# KiCad board Tiboard.kicad_pcb (continued)
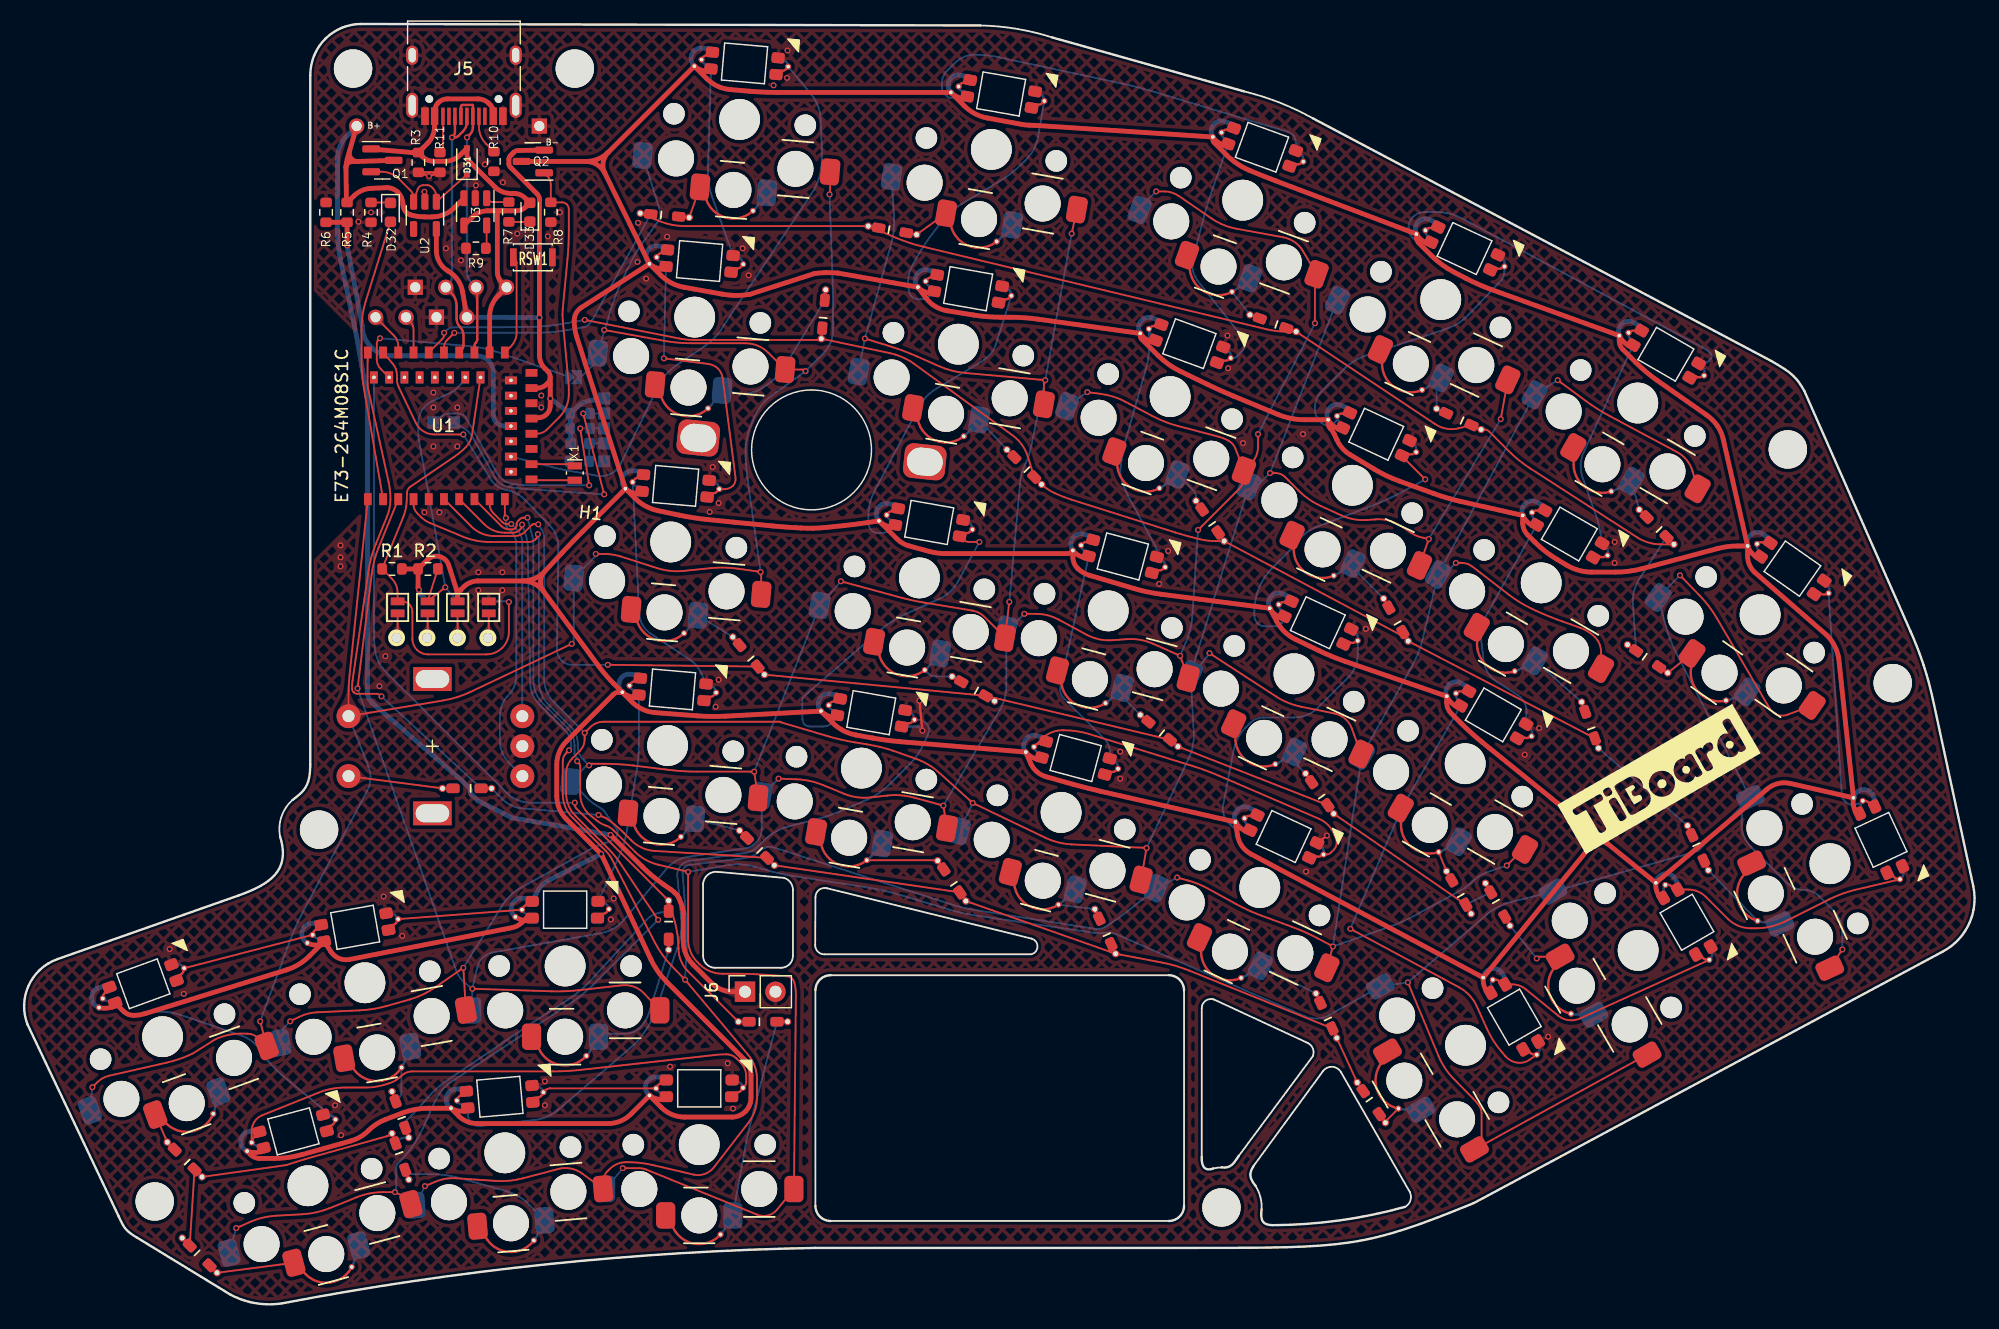
[diagram p0: board, top side]
## Routing (per net, layer and track width the routed paths; a pad name or vN(x,y) marks a point on that pad's centre or on a via; arc(x,y) is an arc through that point)
GND: length 9.1
  Top w0.2: v1(74.7,50.42) v1(74.95,47.92) ; v1(108.7,39.17) SW22.3 ; R3.2 R11.2 v1(33.79,94.2) R3.2
  Bottom w0.2: 73.22,48.27 74.61,48.27 v1(74.95,47.92)
  vias: v1(12.15,29.7) v1(13.33,25.96) v1(25.95,16.67) v1(26.4,63.39) v1(26.4,62.39) v1(26.4,61.64) v1(26.45,14.17) v1(27.9,90.39) v1(28.95,91.17) v1(29.65,51.64) v1(30,34.09) v1(30.15,54.14) v1(31.55,30.8) v1(32.9,63.39) v1(33.4,92.89) v1(33.4,66.14) v1(34.15,76.14) v1(34.15,74.89) v1(34.15,71.64) v1(34.65,66.14) v1(35.2,88.17) v1(36.15,74.89) v1(36.15,71.64) v1(36.45,87.17) v1(37.7,93.42) v1(37.9,61.14) v1(37.9,59.64) v1(38.45,95.17) v1(39.9,61.14) v1(39.9,59.64) v1(39.95,93.67) v1(41.15,89.39) v1(43.15,75.89) v1(43.15,74.89) v1(43.45,18.67) v1(43.45,16.67) v1(43.7,89.17) v1(44.7,91.17) v1(48.95,32.17) v1(49.2,33.92) v1(51.23,90.3) v1(51.19,87.04) v1(51.9,85.64) v1(53.65,89.14) v1(53.9,19.89) v1(57.2,66.17) v1(57.45,69.92) v1(57.7,49.92) v1(57.95,66.92) v1(57.95,52.17) v1(58.7,20.17) v1(58.76,69.72) v1(59.15,16.39) v1(59.95,88.17) v1(60.45,85.92) v1(62.54,101.77) v1(63.7,104.67) v1(63.65,102.39) v1(91.45,46.17) v1(91.45,43.92) v1(94.7,60.17) v1(95.45,62.92) v1(100.4,80.89) v1(100.45,78.17) v1(101.7,71.92) v1(106.7,72.67) v1(106.95,36.17) v1(111.95,56.42) v1(125.2,45.92) v1(126.4,48.14) v1(127.15,22.39) v1(132.7,63.67) v1(132.7,61.92)
VBAT: length 115.4
  Top w0.4: J6.1 59.12,26.14 arc(58.17,26.33) 57.36,26.87 55.8,28.43 arc(55.21,29.31) 55,30.35 55,32.63 arc(55,32.74) 54.99,32.85 arc(54.97,32.96) 54.95,33.07 54.92,33.17 arc(54.86,33.38) 54.79,33.58 54.65,33.93 arc(54.58,34.07) 54.49,34.2 arc(54.37,34.32) 54.26,34.44 54.24,34.45 arc(54.09,34.58) 53.94,34.69 53.38,35.07 arc(52.45,35.78) 51.59,36.57 v1(48.93,39.23) ; 27.16,96.29 26.97,95.63 arc(26.92,95.39) 26.88,95.14 26.86,94.89 ; 27.16,96.29 J2.1 ; 27.16,96.29 arc(27.28,95.68) 27.84,95.42 Q1.3 ; R5.1 27.55,92.57 arc(28.21,93) 28.98,93.18 30.23,93.23 arc(30.75,93.14) 31.19,92.85 arc(31.49,92.41) 31.62,91.89 31.62,91.75 arc(31.81,91.26) 32.24,90.97 32.24,90.96 arc(32.83,90.84) 33.43,90.79 34.04,90.79 arc(35.06,90.99) 35.92,91.57 U3.3 ; 27.79,95.42 27.34,95.4 arc(27,95.25) 26.86,94.89 ; 26.86,94.89 26.9,91.99
  Bottom w0.4: J2.1 26.95,97.57 arc(26.36,96.68) 26.15,95.64 26.15,89.56 arc(26.22,88.4) 26.4,87.25 27.53,81.91 arc(27.76,80.76) 27.97,79.61 28.58,76.03 arc(28.64,75.61) 28.65,75.18 28.65,51.17 arc(28.75,50.68) 29.03,50.26 29.04,50.25 arc(29.05,50.24) 29.06,50.23 36.21,44.05 arc(36.52,43.76) 36.83,43.46 37.14,43.16 arc(37.23,43.02) 37.26,42.86 arc(37.29,42.7) 37.38,42.57 37.86,42.09 40.68,40.66 v1(48.93,39.23)
VBUS: length 46.4
  Top w0.4: J5.A4 39.15,99.54 arc(39.09,99.86) 38.91,100.14 38.78,100.26 arc(38.36,100.54) 37.87,100.64 35.32,100.64 arc(34.92,100.56) 34.57,100.33 34.55,100.31 arc(34.33,99.98) 34.25,99.6 J5.A9 34.25,98.35 arc(34.1,97.58) 33.66,96.92 33.27,96.53 ; 39.65,91.3 41.06,91.3 arc(41.5,91.39) 41.87,91.63 42.04,91.8 arc(42.11,91.97) 42.04,92.14 41.81,92.36 arc(41.38,92.65) 40.87,92.75 40.62,92.75 arc(39.88,92.9) 39.26,93.32 37.27,95.31 arc(37.04,95.66) 36.95,96.07 D31.2 36.41,95.98 arc(35.81,95.58) 35.1,95.44 34.14,95.44 arc(33.67,95.53) 33.27,95.8 ; 39.65,91.3 39.33,91.3 ; 39.65,91.3 arc(39.54,91.25) 39.49,91.14 ; 39.33,91.3 38.71,91.3 arc(37.99,91.16) 37.37,90.75 U3.4 ; 39.33,91.3 arc(39.45,91.25) 39.49,91.14 ; 39.49,91.14 39.49,86.23 arc(39.59,85.73) 39.88,85.31 arc(40.04,84.92) 39.88,84.53 39.56,84.21 arc(39.03,83.43) 38.85,82.5 U1.27 ; 33.27,96.53 arc(33.12,96.16) 33.27,95.8 ; 33.27,96.53 arc(32.87,96.26) 32.39,96.16 ; 32.39,96.16 Q1.1 ; 32.39,96.16 arc(32.87,96.07) 33.27,95.8
/P0.00: length 3.6
  Top w0.15: X1.2 42.46,68.82 arc(42.41,68.83) 42.37,68.85 U1.11
/P0.01: length 3.7
  Top w0.15: U1.13 45.72,70.16 arc(45.81,70.14) 45.88,70.09 X1.1
/P1.04: length 20
  Top w0.15: v1(29.7,80.67) 29.57,80.53 arc(29.47,80.38) 29.43,80.21 29.43,78.91 arc(29.52,78.47) 29.77,78.1 U1.40
  Bottom w0.15: v1(29.7,80.67) 37.24,79.99 arc(38.39,79.82) 39.51,79.51 JP9.1
BATTERY_PIN: length 29.2
  Top w0.4: R6.1 R5.2 v1(26.95,88.42)
  Bottom w0.4: U1.18 40.1,73.34 arc(39.74,73.41) 39.43,73.61 arc(39.23,73.92) 39.15,74.28 39.15,77.82 arc(39.05,78.35) 38.75,78.79 arc(38.3,79.09) 37.77,79.2 30.72,79.2 arc(29.77,79.39) 28.96,79.93 arc(28.41,80.74) 28.22,81.7 v1(26.95,88.42)
BLUE_LED: length 23.6
  Top w0.15: D32.2 28.51,83.74 arc(28.25,82.62) 28.16,81.47 28.16,78.8 arc(28.21,77.64) 28.36,76.48 U1.2
CC1: length 3.4
  Top w0.15: J5.A5 37.95,98.34 arc(38.11,97.56) 38.55,96.89 R10.1
CC2: length 3.1
  Top w0.15: R11.1 34.83,96.29 arc(34.92,96.43) 34.95,96.59 J5.B5
col0: length 280.2
  Top w0.15: SW18.6 121.38,13.18 arc(121.3,13.2) 121.31,13.28 arc(121.53,13.61) 121.6,14 121.6,15.98 arc(121.55,16.32) 121.4,16.63 arc(121.18,16.92) 120.94,17.19 119.28,18.87 arc(118.56,19.76) 118.02,20.77 v1(115.45,26.92) ; U1.8 39.82,65 arc(40.13,64.79) 40.5,64.72 40.74,64.72 arc(40.88,64.75) 41,64.82 arc(41.07,64.94) 41.1,65.07 41.1,65.16 arc(41.12,65.29) 41.2,65.4 41.35,65.55 arc(41.48,65.64) 41.64,65.69 42,65.69 arc(42,65.69) 42,65.7 v1(42.01,65.7) ; v1(49.95,11.42) 51.3,11.42 arc(51.62,11.39) 51.93,11.3 61.17,7.54 arc(62.07,7.48) 62.82,7.96 SW30.6 64.4,25.87 arc(64.37,26.39) 64.28,26.89 arc(64.05,27.26) 63.64,27.43 61.93,27.55 arc(60.76,27.62) 59.59,27.64 58.28,27.64 arc(57.24,27.85) 56.36,28.44 56.2,28.59 arc(55.61,29.48) 55.4,30.52 v1(55.4,36.14) 52.9,36.75 arc(51.86,37.15) 50.97,37.83 49.18,39.61 arc(48.88,39.85) 48.53,40.01 arc(48.17,40.17) 47.84,40.38 47.28,40.83 arc(46.64,41.62) 46.41,42.62 46.41,44.94 arc(46.37,45.11) 46.28,45.25 v1(46.15,45.38) ; v1(138.15,60.89) 139.81,59.19 arc(140.56,58.31) 141.21,57.35 145.63,49.78 arc(146.28,49.25) 147.12,49.25 SW6.6 ; v1(151.7,29.67) SW12.6
  Bottom w0.15: v1(151.7,29.67) 151.7,31.04 arc(151.5,32.08) 150.91,32.97 149.79,34.09 arc(149.17,34.5) 148.45,34.64 arc(147.72,34.79) 147.11,35.2 144.1,38.21 arc(143.51,39.09) 143.3,40.13 143.3,41.11 arc(143.39,41.58) 143.66,41.97 ; v1(46.15,45.38) 46.16,45.39 arc(46.17,45.41) 46.18,45.42 46.18,45.5 arc(46.16,45.59) 46.11,45.67 46.05,45.72 arc(45.96,45.86) 45.93,46.03 45.93,46.7 arc(45.77,47.49) 45.32,48.16 43.3,50.18 arc(42.71,51.07) 42.5,52.11 42.5,63.35 arc(42.47,63.82) 42.38,64.28 arc(42.25,64.74) 42.13,65.2 v1(42.01,65.7) ; SW12.6 139.65,37.89 SW18.6 124.06,33.63 arc(123,33.24) 122.06,32.6 v1(115.45,26.92) SW24.6 108.87,24.18 arc(107.89,23.9) 106.89,24.08 91.08,30.96 arc(90.65,31.07) 90.2,31.06 arc(89.75,31.02) 89.3,31.05 79.56,32.47 arc(78.41,32.68) 77.28,32.97 72.78,34.31 arc(71.65,34.6) 70.5,34.82 64.24,35.78 arc(63.09,36) 61.96,36.29 61.01,36.56 arc(59.9,36.76) 58.76,36.7 v1(55.4,36.14) ; v1(138.15,60.89) SW6.6 136.98,56.65 arc(137.34,55.54) 137.81,54.48 143.79,42.78 ; v1(49.95,11.42) SW30.6 ; 143.79,42.78 arc(143.8,42.42) 143.53,42.18 arc(143.68,42.12) 143.66,41.97 ; 143.79,42.78 arc(143.85,42.36) 143.66,41.97
col1: length 269.2
  Top w0.15: v1(41.55,65.11) 41.55,64.99 arc(41.53,64.88) 41.47,64.79 41.33,64.66 arc(41.09,64.5) 40.81,64.44 40.11,64.44 arc(39.18,64.63) 38.4,65.15 U1.7 ; SW5.6 139.21,69.56 arc(138.73,70.5) 137.91,71.17 132.28,74.18 arc(131.27,74.77) 130.31,75.43 v1(127.95,77.17) ; SW11.6 131.57,54.49 arc(131.44,55.17) 131.05,55.74 arc(130.5,56.19) 129.85,56.5 128.31,57.05 arc(127.22,57.47) 126.14,57.93 125.87,58.06 arc(124.85,58.6) 123.89,59.26 120.83,61.62 arc(120.41,61.84) 119.95,61.92 v1(119.45,61.92) ; v1(96.2,35.67) 97.08,35.43 arc(97.94,35.14) 98.75,34.76 101.13,33.45 arc(102.17,32.93) 103.25,32.49 105.81,31.54 arc(106.89,31.1) 107.94,30.59 v1(109.2,29.92) SW22.6 ; v1(123.7,36.67) 124.99,37.95 arc(125.06,38) 125.14,38.02 SW17.6 ; v1(33.45,9.92) 34.3,10.28 arc(35.17,10.53) 36.08,10.58 39.36,10.36 arc(40.51,10.37) 41.64,10.58 44.58,11.35 arc(45.61,11.39) 46.55,10.98 47.87,10.02 arc(48.15,10) 48.31,10.25 arc(48.41,10.75) 48.69,11.18 48.87,11.35 arc(49.49,11.77) 50.23,11.92 50.43,11.92 arc(51.42,11.86) 52.4,11.69 55.85,10.88 arc(56.8,10.94) 57.56,11.49 60.46,15.24 arc(60.98,16.2) 61.15,17.28 61.15,18.86 arc(60.97,19.93) 60.42,20.87 v1(55.15,27.14) 54,28.34 arc(53.26,29.22) 52.66,30.21 49.06,37.18 arc(48.82,37.56) 48.53,37.9 45.75,40.69 arc(45.16,41.57) 44.95,42.61 44.95,45.39 arc(45.02,45.73) 45.21,46.02 v1(45.48,46.29)
  Bottom w0.15: 117.92,60.75 116.68,55.52 arc(116.33,54.42) 115.83,53.37 SW17.6 v1(109.2,29.92) 113.8,31.51 arc(114.88,31.93) 115.93,32.45 119.78,34.55 arc(120.37,34.93) 120.9,35.39 arc(121.45,35.82) 122.07,36.12 v1(123.7,36.67) ; 117.92,60.75 arc(118,60.94) 118.12,61.1 ; 117.92,60.75 arc(117.99,60.95) 118.07,61.14 ; v1(96.2,35.67) SW22.6 91.98,32.79 arc(91.29,32.26) 90.56,31.78 90.22,31.56 arc(89.81,31.39) 89.36,31.38 79.53,32.92 arc(78.38,33.15) 77.26,33.46 62.58,38.17 arc(61.95,38.2) 61.4,37.89 arc(60.85,37.5) 60.2,37.3 55.48,36.71 arc(55.08,36.49) 54.95,36.06 55.26,31.86 arc(55.31,30.7) 55.28,29.53 v1(55.15,27.14) ; v1(41.55,65.11) 41.78,64.5 arc(41.96,63.87) 42.03,63.22 42.23,51.99 arc(42.43,50.95) 43.02,50.07 45.11,47.98 arc(45.51,47.38) 45.65,46.68 45.65,46.59 arc(45.63,46.47) 45.56,46.37 v1(45.48,46.29) ; 118.07,61.14 SW5.6 v1(127.95,77.17) ; 118.07,61.14 arc(118.08,61.1) 118.12,61.1 ; v1(33.45,9.92) SW23.6 ; v1(119.45,61.92) 118.97,61.44 arc(118.77,61.3) 118.53,61.26 118.49,61.26 arc(118.29,61.22) 118.12,61.1
col2: length 253.2
  Top w0.15: v1(42.9,65.14) 42.89,65.15 arc(42.87,65.16) 42.86,65.17 42.5,65.17 arc(42.44,65.14) 42.38,65.1 41.72,64.44 arc(41.36,64.24) 40.94,64.17 39.24,64.17 arc(38.2,64.37) 37.32,64.96 U1.6 ; v1(52.9,32.14) 49.7,36.92 arc(49.27,37.51) 48.78,38.05 46.02,40.8 arc(45.43,41.68) 45.23,42.72 45.23,44.36 arc(45.36,45.04) 45.74,45.61 46.38,46.25 arc(46.67,46.68) 46.77,47.19 v1(46.77,47.74) 47.24,48.2 arc(47.75,48.55) 48.36,48.67 63.06,48.67 arc(63.09,48.66) 63.11,48.65 arc(63.14,48.63) 63.17,48.61 67.03,47.47 arc(68.16,47.18) 69.31,46.95 70.28,46.79 arc(70.84,46.69) 71.4,46.57 arc(71.95,46.43) 72.49,46.25 74.38,45.59 arc(75.41,45.11) 76.34,44.43 v1(79.15,41.89) 85.21,38.99 arc(86.28,38.6) 87.41,38.43 v1(93.65,38.14) SW21.6 ; v1(17.7,6.42) 18.84,6.92 arc(19.93,7.29) 21.06,7.45 23.24,7.58 arc(24.38,7.73) 25.48,8.07 27.75,8.99 arc(28.84,9.31) 29.98,9.42 30.58,9.42 arc(31.23,9.29) 31.78,8.92 SW29.6 ; v1(98.9,54.39) 104.44,50.79 arc(105.46,50.25) 106.56,49.92 109.33,49.36 arc(110.22,48.92) 110.78,48.11 SW16.6 ; v1(103.95,69.42) 104.42,69.42 arc(104.84,69.33) 105.2,69.09 106.33,67.96 arc(107.22,67.23) 108.21,66.66 109.88,65.9 arc(110.96,65.56) 112.08,65.5 112.77,65.55 arc(113.86,65.46) 114.85,65.01 115.71,64.44 arc(116.17,64.19) 116.68,64.03 v1(117.2,63.92) SW10.6 ; v1(123.2,73.92) SW4.6
  Bottom w0.15: v1(93.65,38.14) 97.16,45.6 arc(97.51,46.67) 97.59,47.79 97.36,51.87 ; SW4.6 v1(103.95,69.42) 103.12,68.58 arc(102.85,68.4) 102.54,68.34 arc(102.26,68.25) 102.1,68.02 97.54,53.31 ; v1(17.7,6.42) SW29.6 ; 97.36,51.87 arc(97.47,52.56) 97.85,53.14 ; 97.36,51.87 arc(97.39,52.6) 97.54,53.31 ; 97.54,53.31 arc(97.62,53.11) 97.85,53.14 ; v1(30.95,9.42) 31.01,9.47 arc(31.05,9.53) 31.06,9.6 31.06,11.48 arc(31.1,11.67) 31.21,11.84 31.45,12.07 arc(31.82,12.47) 32.16,12.9 32.36,13.18 arc(32.85,13.92) 33.26,14.72 34.29,16.99 arc(34.88,17.93) 35.72,18.67 45.68,25.25 arc(46.62,25.94) 47.48,26.72 v1(52.9,32.14) ; 97.85,53.14 98.06,53.35 arc(98.37,53.68) 98.64,54.03 v1(98.9,54.39) ; v1(42.9,65.14) 43.15,64.76 arc(43.34,64.37) 43.4,63.94 43.41,52.47 43.41,52.23 arc(43.61,51.19) 44.2,50.31 v1(46.77,47.74) ; v1(123.2,73.92) v1(117.2,63.92) ; v1(79.15,41.89) SW21.6
col3: length 217.9
  Top w0.15: v1(37.4,26.39) 43.98,26.18 arc(45.15,26.18) 46.32,26.27 49.89,26.68 arc(50.9,26.56) 51.74,25.99 SW28.6 ; SW20.6 v1(76.7,41.67) 74.27,42.33 arc(73.15,42.53) 72,42.51 70.63,42.35 arc(69.51,42.37) 68.42,42.66 66.66,43.38 arc(65.57,43.72) 64.43,43.87 v1(62.95,43.92) ; v1(88.7,76.17) 89.8,76.03 arc(90.87,75.79) 91.88,75.37 94.12,74.19 arc(95.18,73.7) 96.28,73.34 99.66,72.45 arc(100.09,72.31) 100.5,72.11 arc(100.84,71.84) 101.07,71.46 101.58,70.14 ; v1(83.45,57.67) 84.44,57.67 arc(85.4,57.55) 86.31,57.2 88.64,55.94 arc(89.69,55.55) 90.8,55.47 92,55.56 arc(93.13,55.5) 94.21,55.17 v1(96.45,54.17) SW15.6 ; v1(107.7,81.92) 107.7,85.79 arc(107.72,85.87) 107.77,85.94 arc(107.8,86.01) 107.79,86.09 106.72,87.92 arc(106.01,88.69) 105.05,89.09 101.16,89.8 arc(100.07,90.12) 99.07,90.67 96.34,92.54 arc(95.76,92.82) 95.12,92.92 v1(94.45,92.92) ; U1.3 29.59,63.22 arc(29.23,62.12) 29.01,60.98 v1(27.83,51.45) ; 101.58,70.14 arc(101.73,69.61) 101.78,69.06 ; 101.58,70.14 arc(101.84,69.92) 102.18,70.02 ; v1(102.95,72.67) 102.95,71.63 arc(102.8,70.86) 102.37,70.21 102.18,70.02 ; 102.18,70.02 arc(101.88,69.58) 101.78,69.06 ; v1(97.95,64.67) 101.38,68.1 arc(101.68,68.54) 101.78,69.06
  Bottom w0.15: v1(88.7,76.17) SW9.6 ; v1(27.83,51.45) 36.05,27.94 arc(36.36,27.33) 36.84,26.83 v1(37.4,26.39) ; v1(76.7,41.67) 81.38,49.59 arc(81.81,50.62) 81.96,51.73 81.96,56.27 arc(81.99,56.34) 82.06,56.36 arc(82.14,56.38) 82.22,56.43 v1(83.45,57.67) ; v1(94.45,92.92) 93.14,91.61 arc(93.1,91.54) 93.08,91.46 SW3.6 ; v1(37.4,26.39) SW28.6 ; v1(37.4,26.39) 37.82,28.19 arc(38.28,29) 39.12,29.42 48.18,31.04 arc(49.2,31.41) 50.03,32.11 53.58,36.37 arc(54.41,37.06) 55.43,37.4 60.37,38.14 arc(60.6,38.21) 60.8,38.35 61.08,38.6 arc(61.42,39.08) 61.54,39.66 SW20.6 v1(62.95,43.92) ; v1(107.7,81.92) v1(102.95,72.67) ; v1(96.45,54.17) 96.95,55.32 arc(97.31,56.41) 97.48,57.55 v1(97.95,64.67)
col4: length 198.9
  Top w0.15: v1(42.87,64.32) 42.87,64.21 arc(42.85,64.1) 42.79,64.01 42.64,63.86 arc(42.39,63.72) 42.1,63.67 38.84,63.67 arc(37.71,63.78) 36.61,64.11 33.86,65.26 arc(33.47,65.47) 33.12,65.75 32.81,66.07 arc(32.58,66.41) 32.5,66.81 U1.4 ; v1(22.2,23.67) 22.93,24.03 arc(23.68,24.31) 24.46,24.43 27.99,24.59 arc(29.14,24.71) 30.28,24.96 32.19,25.5 arc(33.27,25.9) 34.26,26.48 v1(36.65,28.14) SW27.6 ; v1(87.4,89.39) SW2.6 ; v1(68.15,60.39) 72.92,59.09 arc(74.05,58.81) 75.2,58.59 79.13,57.94 arc(79.4,57.87) 79.66,57.77 arc(79.89,57.62) 80.1,57.45 81.82,55.73 arc(81.84,55.71) 81.84,55.68 arc(81.84,55.68) 81.85,55.68 v1(82.2,58.67) ; v1(70.15,80.64) 72.29,79.98 arc(73.39,79.61) 74.47,79.16 76.32,78.34 arc(77.41,77.96) 78.54,77.77 v1(85.2,77.17) 85.15,77.11 arc(85.11,77.05) 85.09,76.98 SW8.6 ; SW19.6 v1(60.92,44.5) 56.19,44.5 arc(55.02,44.54) 53.86,44.65 50.8,45.02 arc(49.63,45.12) 48.46,45.16 47.37,45.16 arc(47.28,45.14) 47.21,45.09 v1(47.14,45.02)
  Bottom w0.15: v1(87.4,89.39) v1(85.2,77.17) 83.99,71.48 arc(83.84,70.94) 83.64,70.41 83.57,70.25 arc(83.41,69.89) 83.28,69.51 arc(83.18,69.14) 83.12,68.75 v1(82.2,58.67) ; SW8.6 v1(70.15,80.64) 72.34,88.52 arc(72.56,89.65) 72.58,90.8 SW2.6 ; SW27.6 21.41,22.38 arc(21.5,22.83) 21.75,23.22 v1(22.2,23.67) ; v1(68.15,60.39) 66.43,58.39 arc(66.41,58.38) 66.4,58.38 arc(66.38,58.38) 66.37,58.36 v1(60.92,44.5) ; v1(42.87,64.32) 42.91,64.28 arc(42.94,64.24) 42.95,64.18 42.95,52.05 arc(43.16,51.01) 43.75,50.12 45.6,48.27 arc(46.05,47.6) 46.2,46.82 46.2,46.63 arc(46.33,46.01) 46.67,45.49 v1(47.14,45.02) 47.05,45.02 arc(46.96,45.01) 46.88,44.96 45.61,43.68 arc(45.61,43.68) 45.61,43.68 arc(45.62,43.68) 45.62,43.67 47.17,42.12 arc(47.42,41.91) 47.69,41.73 48.33,41.32 49.53,39.6 49.53,39.45 arc(49.48,39.21) 49.35,39.01 49.22,38.88 arc(49.07,38.77) 48.91,38.69 48.41,38.52 arc(47.76,38.27) 47.12,37.96 41.51,34.85 arc(40.6,34.19) 39.89,33.32 v1(36.65,28.14)
DATA+: length 23
  Top w0.2: J5.B6 35.95,97.85 arc(35.92,97.68) 35.83,97.54 v1(35.7,97.42) 35.91,97.42 arc(36.1,97.46) 36.26,97.56 36.63,97.93 arc(36.87,98.3) 36.95,98.72 J5.A6 ; U1.31 36.49,79.66 arc(36.62,79.86) 36.67,80.09 36.67,80.91 arc(36.59,81.29) 36.38,81.61 arc(36.17,81.93) 36.09,82.3 36.09,83.37 arc(35.97,83.96) 35.64,84.47 J4.2
  Bottom w0.2: J4.2 35.44,85.18 arc(35.64,85.47) 35.7,85.81 v1(35.7,97.42)
DATA-: length 23
  Top w0.2: U1.29 37.58,80.01 arc(37.61,80.17) 37.7,80.3 arc(37.79,80.43) 37.82,80.58 37.82,84.76 arc(37.8,84.82) 37.77,84.87 J4.3 ; v1(36.95,97.42) 37.2,97.67 arc(37.39,97.95) 37.45,98.27 J5.B7 37.45,100.09 arc(37.45,100.11) 37.44,100.12 arc(37.43,100.13) 37.41,100.14 36.61,100.14 arc(36.55,100.12) 36.5,100.09 arc(36.47,100.04) 36.45,99.98 J5.A7
  Bottom w0.2: v1(36.95,97.42) 36.95,86.23 arc(37.05,85.73) 37.34,85.3 J4.3
ENCA: length 24.5
  Top w0.15: v1(40.2,65.67) 40.16,65.71 arc(40.13,65.76) 40.12,65.81 U1.10
  Bottom w0.15: SW25.A 40.5,45.21 arc(39.91,46.09) 39.7,47.13 39.7,49.2 arc(39.88,50.1) 40.39,50.86 arc(40.9,51.62) 41.08,52.52 41.08,63.48 arc(40.96,64.05) 40.64,64.54 40.3,64.88 arc(40.22,64.99) 40.2,65.13 40.2,65.66 arc(40.2,65.66) 40.2,65.67 v1(40.2,65.67)
ENCB: length 19.4
  Top w0.15: U1.9 38.85,66.81 arc(38.93,66.42) 39.15,66.08 39.92,65.31 arc(40.08,65.21) 40.27,65.17 v1(40.65,65.17)
  Bottom w0.15: SW25.B 41.58,63.59 arc(41.46,64.19) 41.11,64.71 v1(40.65,65.17)
EXT_VCC: length 673.2
  Top w0.4: SW28.1 41.91,32.29 41.56,31.93 arc(41.18,31.65) 40.72,31.49 27.15,28.84 arc(26.28,28.93) 25.6,29.49 SW27.1 23.81,29.12 arc(22.92,28.42) 21.89,27.96 10.09,24.31 arc(9.62,24.21) 9.14,24.17 arc(8.68,24.26) 8.3,24.52 SW26.1 ; SW7.1 53.12,85.94 arc(54.01,85.28) 55.05,84.92 58.26,84.35 arc(59.41,84.24) 60.55,84.33 65.93,86.06 arc(66.42,86.12) 66.9,86.14 arc(67.39,86.13) 67.88,86.11 SW8.1 75.24,84.03 arc(76.02,83.33) 77,82.96 79.22,82.61 arc(80.38,82.47) 81.54,82.42 82.26,82.42 arc(83.43,82.38) 84.59,82.26 93.04,81.08 arc(93.1,81.05) 93.12,80.98 93.12,80.89 arc(93.16,80.73) 93.25,80.59 94.6,79.24 arc(95.48,78.49) 96.47,77.91 98.76,76.8 arc(99.82,76.31) 100.89,75.85 104.6,74.31 arc(105.7,73.98) 106.84,73.87 SW10.1 108.8,73.59 arc(108.85,73.34) 108.99,73.13 109,73.12 arc(109.17,72.91) 109.31,72.68 109.55,72.16 arc(110,71.48) 110.63,70.95 112.65,69.74 arc(113.68,69.19) 114.75,68.74 117.64,67.7 arc(118.75,67.34) 119.89,67.04 SW11.1 125.03,65.28 arc(125.15,64.71) 125.46,64.24 126.03,63.67 arc(126.9,62.9) 127.86,62.24 128.68,61.75 arc(129.71,61.3) 130.82,61.15 132.75,61.15 arc(133.91,61.23) 135.04,61.45 141.28,63.11 arc(142.1,63.28) 142.95,63.33 SW6.1 ; SW7.1 46.46,83.2 arc(46.05,82.74) 45.9,82.14 arc(45.95,81.47) 46.1,80.82 SW13.1 ; SW7.1 48.46,94.45 ; 36.17,59.06 JP2.2 36.17,59.06 ; 36.17,59.06 arc(36.24,59.38) 36.42,59.66 36.68,59.91 arc(37.24,60.29) 37.9,60.42 41.58,60.42 ; 36.17,59.06 arc(36.15,59.41) 36.07,59.74 35.43,61.74 arc(34.67,62.45) 33.66,62.18 R2.1 ; SW29.1 18.93,12.53 arc(19.26,12.31) 19.66,12.23 20.9,12.23 arc(22.05,12.31) 23.18,12.55 27.26,13.69 arc(28.05,14.03) 28.74,14.56 arc(29.41,15.1) 30.19,15.5 31.54,16.01 arc(32.64,16.32) 33.79,16.42 SW23.1 36.26,15.78 arc(36.97,15.31) 37.81,15.14 48.72,15.14 arc(49.76,15.35) 50.65,15.94 SW30.1 53.19,16.48 arc(54.07,15.89) 55.11,15.68 59.05,15.68 arc(59.67,15.8) 60.19,16.15 arc(60.53,16.67) 60.65,17.28 60.65,19.15 arc(60.51,19.87) 60.1,20.48 53.62,26.96 arc(52.88,27.84) 52.3,28.84 v1(48.15,37.64) 45.25,40.55 arc(44.66,41.43) 44.45,42.47 44.45,45.1 arc(44.66,46.14) 45.25,47.03 49.15,50.93 arc(49.37,51.08) 49.63,51.13 SW19.1 ; SW13.1 46.58,64.52 arc(45.76,63.69) 44.96,62.84 43.41,61.18 ; SW13.1 50.98,67.32 arc(51.86,66.66) 52.89,66.28 54.66,65.91 arc(55.8,65.7) 56.96,65.55 arc(58.11,65.43) 59.27,65.32 62.48,65 arc(63.43,64.92) 64.37,64.86 64.81,64.83 arc(65.32,64.82) 65.83,64.81 arc(66.34,64.83) 66.84,64.87 68.44,65.04 arc(69.4,65.15) 70.37,65.28 SW14.1 72.85,63.9 arc(73.3,63.56) 73.82,63.35 75.53,62.88 arc(76.22,62.74) 76.92,62.7 87.07,62.7 arc(87.24,62.73) 87.38,62.83 87.44,62.89 arc(87.48,62.9) 87.51,62.86 87.51,62.41 arc(87.61,61.91) 87.89,61.48 87.91,61.46 arc(88.36,61.12) 88.87,60.89 92.6,59.79 arc(93.73,59.5) 94.88,59.3 SW16.1 104.51,57.04 arc(105.18,56.17) 106.08,55.54 108.05,54.59 arc(109.12,54.12) 110.21,53.71 SW17.1 118.69,50.27 arc(118.79,49.78) 119.06,49.37 119.9,48.54 arc(120.74,47.73) 121.63,46.97 130.45,39.84 ; SW6.1 141.76,72.25 arc(141.57,72.84) 141.26,73.37 arc(140.87,73.85) 140.39,74.25 136.28,77.13 arc(135.35,77.84) 134.49,78.63 133.39,79.73 arc(133.17,80.06) 133.09,80.46 SW5.1 122.47,84.71 arc(121.39,85.14) 120.33,85.65 119.28,86.2 arc(118.3,86.81) 117.42,87.56 116.36,88.62 arc(116.22,88.84) 116.17,89.09 SW4.1 104.43,93.8 arc(103.33,94.22) 102.25,94.67 102.22,94.68 arc(101.21,95.23) 100.33,95.96 99.3,96.98 arc(99.21,97.12) 99.18,97.28 99.18,97.37 arc(99.15,97.44) 99.09,97.47 84.35,98.43 arc(84.1,98.44) 83.85,98.45 arc(83.6,98.46) 83.35,98.49 80.39,99.04 arc(79.34,99.4) 78.45,100.06 SW2.1 62.86,101.18 arc(61.69,101.2) 60.53,101.28 58.91,101.42 arc(57.86,101.7) 56.98,102.32 SW1.1 48.73,96.17 ; SW6.1 143.79,62.53 arc(143.94,61.79) 144.36,61.16 150.4,55.89 arc(151.05,55) 151.4,53.95 SW12.1 147.36,43.52 arc(146.34,43.51) 145.43,43.05 SW18.1 132.14,38.47 ; 43.41,61.18 arc(43.09,60.38) 43.36,59.53 ; 43.41,61.18 arc(42.6,60.62) 41.58,60.42 ; SW19.1 50.73,50.32 arc(51.62,49.7) 52.66,49.43 56.17,49.16 arc(57.34,49.11) 58.5,49.13 SW20.1 67.47,48.58 arc(68.36,47.92) 69.41,47.56 70.79,47.31 arc(71.95,47.13) 73.11,47 SW21.1 83.96,45.24 arc(84.5,44.5) 85.3,44.07 87.54,43.44 arc(88.67,43.14) 89.81,42.87 SW22.1 101.24,39.22 arc(101.62,38.29) 102.37,37.63 SW24.1 130.73,38.33 ; SW19.1 49.22,51.82 arc(48.56,52.54) 47.95,53.31 43.36,59.53 ; 132.14,38.47 130.45,39.84 ; 132.14,38.47 arc(131.41,38.69) 130.73,38.33 ; 130.45,39.84 arc(130.91,39.09) 130.73,38.33 ; R2.1 R1.1 ; R2.1 32.88,59.8 arc(32.89,59.75) 32.92,59.71 v1(32.95,59.67) ; 48.46,94.45 arc(48.32,95.36) 48.73,96.17 ; 48.46,94.45 arc(47.81,95.16) 46.85,95.42 ; 43.36,59.53 arc(42.58,60.18) 41.58,60.42 ; 48.73,96.17 arc(47.88,95.62) 46.85,95.42 ; Q2.3 46.85,95.42
  Bottom w0.4: v1(32.95,59.67) 32.95,59.55 arc(32.98,59.44) 33.04,59.35 JP7.2 ; v1(48.15,37.64) 43.89,35.51 arc(43.25,35.05) 42.78,34.41 SW28.1
LED: length 49.4
  Bottom w0.15: U1.14 44.18,69.89 arc(45.16,69.66) 46.14,69.49 46.82,69.39 arc(47.13,69.34) 47.44,69.27 47.75,69.2 arc(48.94,69.34) 49.78,70.19 53.11,77.08 arc(53.72,77.82) 54.46,78.44 56.95,80.12 arc(57.6,80.69) 58.14,81.37 65.69,92.71 arc(66.34,94.05) 66.56,95.52 66.56,96.16 arc(66.55,96.79) 66.53,97.43 66.46,99 arc(66.23,100.07) 65.68,101.02 SW1.4
nRF_VDD: length 51.6
  Top w0.4: 43.9,76.84 43.9,75.04 arc(43.65,74.37) 43.01,74.04 U1.19 ; 43.9,76.84 43.9,77.42 ; 43.9,76.84 arc(43.83,76.95) 43.7,76.93 ; J1.1 36.59,84.54 arc(36.21,85.51) 35.45,86.23 35.34,86.31 arc(34.65,87.03) 34.4,87.99 U2.5 ; U1.23 42.85,76.51 arc(43.25,76.59) 43.6,76.82 43.7,76.93 ; Q2.2 41.24,96.33 arc(41.03,96.29) 40.86,96.17 40.58,95.9 arc(40.49,95.75) 40.45,95.58 40.45,95.25 arc(40.48,95.09) 40.58,94.95 42.8,92.72 arc(42.95,92.5) 43.01,92.23 v1(43.01,82.39) 43.01,79.24 arc(43.12,78.65) 43.46,78.15 43.7,77.91 arc(43.85,77.68) 43.9,77.42 ; 43.9,77.42 arc(43.85,77.15) 43.7,76.93
  Bottom w0.4: R13.2 R12.2 C1.1 ; R13.2 46.2,74.96 arc(46.7,75.3) 47.27,75.48 TP4.1 ; R13.2 v1(43.9,75.64) ; v1(43.01,82.39) J1.1
POWER_PIN: length 24.9
  Top w0.15: U1.17 42.81,72.7 arc(43.25,72.79) 43.62,73.03 44.66,74.08 arc(45.25,74.96) 45.45,76 45.45,76.34 arc(45.45,76.69) 45.42,77.03 44.95,82.11 arc(44.94,82.36) 44.93,82.62 arc(44.93,82.87) 44.95,83.12 45.34,87.27 arc(45.43,88.44) 45.45,89.61 45.45,91.43 arc(45.41,91.65) 45.29,91.84 arc(45.1,91.96) 44.88,92.01 R8.1 43.95,93.51 arc(43.88,93.88) 43.67,94.19 Q2.1
RESET: length 8.4
  Top w0.15: RSW1.2 40.97,87.28 arc(41.07,87.13) 41.1,86.96 41.1,81.15 arc(40.97,80.51) 40.61,79.97 U1.26
row0: length 126.4
  Top w0.15: v1(35.9,81.12) 35.31,80.53 arc(35.11,80.23) 35.04,79.87 U1.33 ; D1.1 52.95,90.47 arc(54.04,90.14) 55.18,90.03 D2.1 72.77,89.04 arc(73.86,88.63) 74.99,88.31 103.68,81.41 arc(104.49,81.27) 105.31,81.22 D3.1 117.75,73.49 arc(118.69,73.12) 119.71,73.16 D4.1 ; D5.1 136.57,63.47 arc(135.53,63.62) 134.57,64.06 125.68,69.8 arc(124.73,70.48) 123.87,71.26 122.25,72.87 arc(122.05,73.01) 121.82,73.05 D4.1
  Bottom w0.15: D6.1 134.23,58.5 arc(134.33,59.59) 134.77,60.6 D5.1 ; v1(35.9,81.12) 37.98,81.12 arc(39.15,81.12) 40.32,81.13 42.98,81.14 arc(44.15,81.19) 45.31,81.34 46.76,81.6 arc(46.91,81.65) 47.04,81.74 47.15,81.85 arc(47.3,82.02) 47.43,82.21 D1.1
row1: length 117.8
  Top w0.15: D10.1 D9.1 99.44,63.74 arc(98.76,63.78) 98.09,63.9 97.85,63.96 arc(96.95,64.2) 96.06,64.46 87.4,67.19 arc(86.69,67.44) 86,67.74 85.98,67.75 arc(85.36,68.11) 84.8,68.57 84.54,68.83 arc(84.32,69.12) 84.17,69.44 83.75,70.8 arc(83.26,71.78) 82.48,72.56 74.29,78.51 arc(73.31,79.08) 72.22,79.43 66.59,80.61 arc(66.53,80.61) 66.48,80.58 arc(66.42,80.54) 66.35,80.53 55.93,80.53 arc(55.27,80.56) 54.62,80.65 v1(46.78,82.2) ; D11.1 D10.1 ; v1(35.05,81.12) 35.05,80.94 arc(35.02,80.77) 34.92,80.63 U1.35
  Bottom w0.15: D11.1 D12.1 ; v1(46.78,82.2) 44.81,81.85 arc(43.65,81.69) 42.48,81.62 40.26,81.59 arc(39.09,81.58) 37.92,81.57 35.82,81.57 arc(35.53,81.51) 35.28,81.35 v1(35.05,81.12)
row2: length 113.2
  Top w0.15: D15.1 D14.1 D13.1 ; D17.1 D16.1 ; D16.1 D15.1 ; U1.41 30.75,78.56 arc(31.03,78.1) 31.12,77.58 31.12,77.23 arc(31.16,76.9) 31.27,76.58 32.69,73.62 arc(33.32,72.9) 34.24,72.64 v1(36.65,72.64) ; v1(48.7,53.42) D13.1
  Bottom w0.15: v1(36.65,72.64) 38.95,68.88 arc(39.51,68.3) 40.26,68 arc(41.06,67.74) 41.73,67.24 43.81,65.12 arc(44.39,64.24) 44.59,63.2 44.46,54.7 arc(44.55,54.21) 44.83,53.79 arc(45.24,53.52) 45.73,53.42 v1(48.7,53.42) ; D17.1 D18.1
row3: length 119.5
  Top w0.15: D24.1 D22.1 ; D19.1 52.61,37.89 arc(51.56,38.15) 50.67,38.76 50.05,39.38 arc(49.32,40.05) 48.53,40.64 v1(47.93,40.89) ; D19.1 D20.1 ; U1.43 28.67,78.8 arc(28.66,78.14) 28.66,77.48 28.67,76.83 arc(28.68,76.64) 28.71,76.45 30.42,68.68 arc(30.54,67.95) 30.57,67.22 arc(30.5,66.5) 30.29,65.8 29.34,63.47 arc(28.97,62.37) 28.74,61.23 27.41,52.09 arc(27.38,51.86) 27.38,51.64 27.38,51.41 arc(27.4,51.27) 27.48,51.16 27.52,51.12 arc(27.65,51.03) 27.81,51 29.46,51 arc(29.6,50.97) 29.72,50.89 v1(29.83,50.78) ; D20.1 D21.1 94.97,28.57 arc(96.1,28.29) 97.2,27.91 D22.1
  Bottom w0.15: v1(47.93,40.89) 41.83,41.42 arc(40.79,41.63) 39.91,42.22 D25.1 ; v1(29.83,50.78) D25.1
row4: length 121.4
  Top w0.15: v1(45.95,41.92) 45.95,41.74 arc(45.99,41.58) 46.08,41.44 53.78,33.74 arc(53.78,33.74) 53.78,33.74 arc(53.78,33.74) D28.1 54.28,32.03 arc(54.52,30.92) 54.6,29.79 54.6,29.77 arc(54.81,28.73) 55.4,27.85 D30.1 ; D26.1 D29.1 ; D23.1 30.56,14.22 arc(30.42,14.14) 30.26,14.08 24.12,12.37 arc(23,12.04) 21.88,11.68 D26.1
  Bottom w0.15: D23.1 31.26,13.74 arc(31.5,13.91) 31.79,13.96 D27.1 ; D28.1 53.09,32.75 arc(52.46,32.54) 51.93,32.13 47.2,27 arc(46.36,26.2) 45.42,25.51 43.89,24.52 arc(42.91,23.88) 41.93,23.23 35.36,18.79 arc(34.46,18.08) 33.65,17.26 33.41,16.98 arc(32.89,16.4) 32.35,15.84 31.98,15.47 arc(31.85,15.27) 31.8,15.04 D27.1 ; U1.42 29.2,56.02 arc(29.21,55.6) 29.23,55.17 29.24,55.07 arc(29.28,54.75) 29.33,54.44 arc(29.41,54.13) 29.52,53.84 29.55,53.75 arc(29.71,53.44) 29.91,53.15 arc(30.15,52.88) 30.39,52.62 40.3,42.72 arc(41.18,42.13) 42.22,41.92 v1(45.95,41.92)
SCL: length 26
  Top w0.15: R2.2 JP3.2 v1(35.15,59.89)
  Bottom w0.15: JP6.2 v1(35.15,59.89) 32.94,72.21 arc(32.91,72.39) 32.9,72.57 32.9,73.61 arc(33.22,74.69) 34.07,75.43 35.63,76.15 arc(36.1,76.45) 36.47,76.87 U1.30
SDA: length 40.2
  Top w0.15: v1(40.45,58.67) 40.45,56.17 arc(40.31,55.45) 39.9,54.84 arc(39.3,54.43) 38.58,54.29 33.7,54.29 arc(33.21,54.39) 32.78,54.67 arc(32.5,55.09) 32.4,55.59 32.4,57.84 arc(32.34,58.17) 32.15,58.46 arc(31.87,58.64) 31.54,58.71 31.36,58.71 arc(31.23,58.76) 31.17,58.89 31.17,59.42 arc(31.04,60.07) 30.67,60.63 R1.2 31.65,65.76 arc(31.85,66.4) 31.93,67.07 31.95,67.76 arc(32.03,68.05) 32.23,68.28 35.9,70.78 arc(36.4,71.15) 36.85,71.57 arc(37.2,72.05) 37.38,72.62 U1.28
  Bottom w0.15: v1(40.45,58.67) 40.43,58.69 arc(40.41,58.7) 40.39,58.71 JP5.2
SW25A: length 184
  Top w0.15: v1(65.2,77.92) 65.14,77.99 arc(65.06,78.04) 64.97,78.05 SW7.6 62.1,79.45 arc(61.22,80.04) 60.18,80.25 55.68,80.25 arc(54.52,80.3) 53.37,80.46 v1(48.4,81.36) ; v1(19.7,23.67) 20.12,22.1 arc(20.06,21.93) 19.88,21.95 19.51,22.28 arc(19.12,22.55) 18.65,22.64 18.1,22.65 arc(16.97,22.52) 15.9,22.14 14.11,21 arc(13.03,20.55) 11.92,20.23 7.12,19.14 arc(6.58,18.93) 6.12,18.59 v1(5.7,18.17) ; v1(67.2,92.67) 67.23,92.69 arc(67.25,92.72) 67.25,92.75 SW1.6 ; v1(45.7,55.17) 37.21,51.14 arc(36.13,50.72) 35,50.45 SW25.S1 27.08,50.94 arc(27.1,51.72) 27.16,52.5 U1.1 ; v1(47.7,62.67) 48.41,62.67 arc(49.12,62.62) 49.8,62.45 52.8,61.49 arc(53.92,61.26) 55.06,61.26 57.28,61.48 arc(58.44,61.53) 59.6,61.44 v1(61.45,61.17) 61.48,61.15 arc(61.5,61.12) 61.5,61.09 SW13.6
  Bottom w0.15: v1(19.7,23.67) 22.25,30.54 arc(22.69,31.62) 23.2,32.67 28.63,42.9 arc(28.91,43.9) 28.74,44.93 SW25.S1 ; JP9.2 47.65,78.62 arc(47.81,78.85) 47.86,79.13 arc(47.88,79.42) 47.95,79.71 48.98,83.11 arc(49.36,84.21) 49.81,85.29 50.41,86.58 arc(50.95,87.61) 51.59,88.59 52.88,90.39 arc(53.02,90.67) 53.07,90.98 53.07,91.03 arc(53.05,91.3) 52.99,91.56 SW1.6 ; v1(61.45,61.17) 60.36,68.98 arc(60.24,70.09) 60.2,71.21 arc(60.31,72.32) 60.64,73.38 60.94,74.1 arc(61.51,75.06) 62.32,75.83 v1(65.2,77.92) 66.7,79.41 arc(67.29,80.3) 67.5,81.34 67.5,83.38 arc(67.48,84.55) 67.45,85.72 v1(67.2,92.67) ; v1(5.7,18.17) SW26.6 ; v1(45.7,55.17) 45.78,55.25 arc(45.84,55.34) 45.86,55.44 SW13.6 47.65,62.45 arc(47.69,62.51) 47.7,62.59 v1(47.7,62.67)
SW25B: length 7.9
  Top w0.15: SW25.S2 D25.2
SWC: length 3.7
  Top w0.15: U1.39 31.23,80 arc(31.13,80.49) 30.86,80.89 J1.4
SWD: length 3.2
  Top w0.15: U1.37 32.5,81.35 arc(32.42,81.76) 32.19,82.11 J1.3
Net-(C1-Pad2): length 2.7
  Bottom w0.15: R14.2 C1.2 ; TP3.1 47.23,71.89
Net-(D1-Pad2): length 2.7
  Top w0.15: SW1.5 D1.2
Net-(D2-Pad2): length 3
  Top w0.15: SW2.5 D2.2
Net-(D3-Pad2): length 2.4
  Bottom w0.15: SW3.5 D3.2
Net-(D4-Pad2): length 2.7
  Bottom w0.15: D4.2 117.85,76.97 SW4.5
Net-(D5-Pad2): length 2.5
  Bottom w0.15: SW5.5 D5.2
Net-(D6-Pad2): length 2.6
  Top w0.15: D6.2 SW6.5
Net-(D7-Pad2): length 12.6
  Bottom w0.15: D7.2 63.5,78.38 arc(62.81,77.48) 61.94,76.75 61.59,76.52 arc(60.61,76.1) 59.54,76.08 SW7.5
Net-(D8-Pad2): length 3.4
  Bottom w0.15: SW8.5 D8.2
Net-(D9-Pad2): length 2.8
  Bottom w0.15: SW9.5 97.55,67.98 arc(97.72,67.73) 97.78,67.43 D9.2
Net-(D10-Pad2): length 4
  Bottom w0.15: D10.2 111,61.37 arc(110.91,61.51) 110.87,61.68 SW10.5
Net-(D11-Pad2): length 5.2
  Bottom w0.15: D11.2 SW11.5
Net-(D12-Pad2): length 5.9
  Bottom w0.15: D12.2 SW12.5
Net-(D13-Pad2): length 3.4
  Bottom w0.15: SW13.5 D13.2
Net-(D14-Pad2): length 2.5
  Bottom w0.15: D14.2 76.07,52.44 arc(75.72,52.52) 75.42,52.72 SW14.5
Net-(D15-Pad2): length 2.8
  Bottom w0.15: SW15.5 91.63,51.12 arc(91.7,50.77) 91.9,50.47 D15.2
Net-(D16-Pad2): length 2.1
  Bottom w0.15: SW16.5 106,45.7 arc(106.08,45.3) 106.31,44.96 D16.2
